# Altium PCB as_x31.PcbDoc (part 4 of 4) (continued)
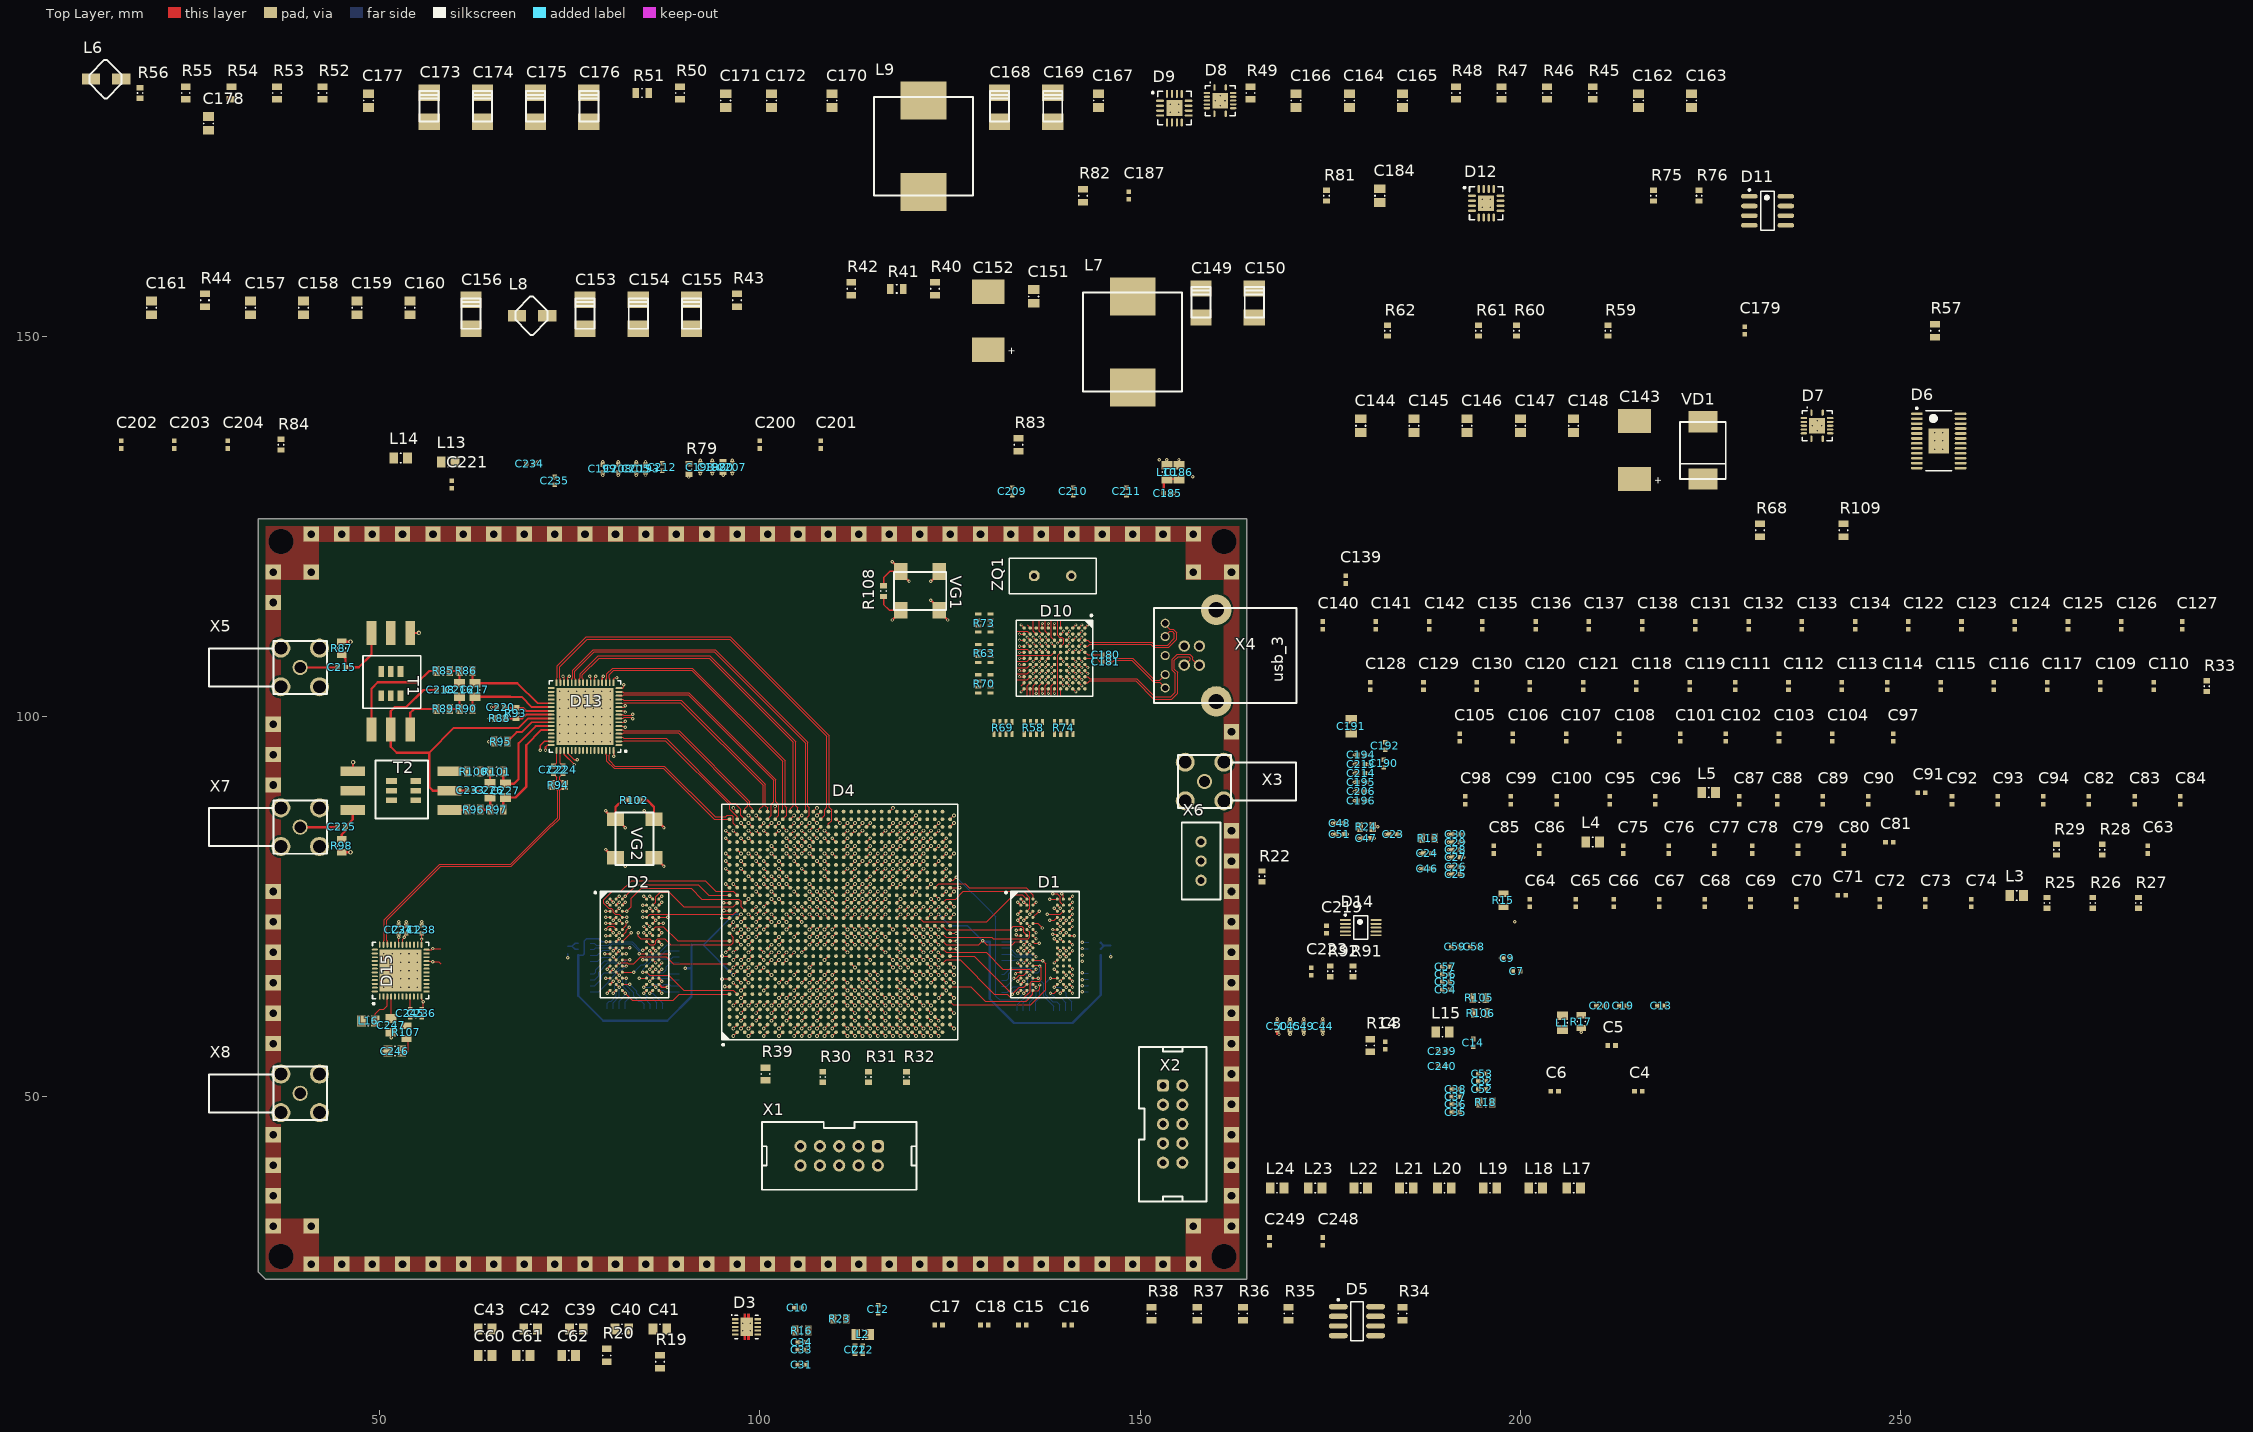
[diagram p0: Top Layer view]
## Nets (pads, with @x,y where several pads share a name; then routed paths per layer and width w, separated by ;. In a path a pad name is that pad's centre, name@x,y a point inside that pad or via, vN(x,y) a via of type N, cw(c..) or ccw(c..) an arc to the next point about the centre after c; other vN are vias at no path point) (continued)
NetVD1_2: VD1.2 X3.1
PCLK: D10.J6 R70.8 | length 2.7
  Top Layer w0.125: v4(135.929,107.246) D10.J6@136.329,107.646
  int_1 w0.125: 133.829,107.246 v4(135.929,107.246)
PG1P1: D7.14 D8.10
SHIELD: L17.2 L18.2 L19.2 L20.2 L21.2 L22.2 L23.2 L24.2 pad.0 pad.3
SS_RX_N: D10.A3 X4.8 | length 14.7
  Top Layer w0.14: D10.A3@142.729,110.046 143.1,110.046 143.345,109.801 151.537,109.801 151.938,109.4 153.6,109.4 154.5,110.3 154.5,110.9 154.2,111.2 153.9,111.2 153.29,110.59 X4.8@153.29,110.52
SS_RX_P: D10.A4 X4.9 | length 15.8
  Top Layer w0.14: D10.A4@142.729,109.246 143.1,109.246 143.345,109.491 151.409,109.491 151.81,109.09 153.728,109.09 154.81,110.172 154.81,111.028 154.328,111.51 153.9,111.51 153.29,112.12 X4.9@153.29,112.27
SS_TX_N: C181.1 X4.5 | length 8.9
  Top Layer w0.14: C181.1@146,107.2 146.4,107.2 146.59,107.39 148.872,107.39 151.772,104.49 152.57,104.49 X4.5@153.29,103.77
SS_TX_P: C180.1 X4.6 | length 9
  Top Layer w0.14: C180.1@146,108.1 146.4,108.1 146.8,107.7 149,107.7 151.9,104.8 152.57,104.8 X4.6@153.29,105.52
TCK: D4.AC7 R26.2 R33.2 X1.1 | length 0.7
  Top Layer w0.15: D4.AC7@118,64.5 v1(118.5,64)
TDI: D4.U7 R27.1 X1.9 | length 0.7
  Top Layer w0.15: D4.U7@112,64.5 v1(112.5,64)
TDO: D4.W9 X1.3 | length 0.7
  Top Layer w0.15: D4.W9@114,66.5 v1(114.5,66)
TMS: D4.V7 R25.2 X1.5 | length 0.7
  Top Layer w0.15: D4.V7@113,64.5 v1(113.5,64)
TTL_CLK: D4.AF25 | length 0.7
  Top Layer w0.15: D4.AF25@121,82.5 v1(121.5,83)
TTL_RX: D5.1
TTL_SDIN: D4.AF26 | length 0.7
  Top Layer w0.15: D4.AF26@121,83.5 v1(121.5,84)
TTL_SDOUT: D4.AH27 | length 0.7
  Top Layer w0.15: D4.AH27@123,84.5 v1(123.5,85)
TTL_SS: D4.AG27 | length 0.7
  Top Layer w0.15: D4.AG27@122,84.5 v1(122.5,85)
TTL_TX: D5.4
TTL_TX_EN: D5.2 D5.3
U3RXVDDQ: C185.2 C186.2 D10.A2 L10.2 | length 3.7
  Top Layer w0.3: C185.2@153.1,129.35 153.1,130.85 L10.2@153.5,131.25 C186.2@155.1,131.25
U3TXVDDQ: C188.2 C189.2 D10.B5 L11.2 | length 0.6
  Top Layer w0.125: D10.B5@141.929,108.446 v4(142.329,108.846)
USB_N: D10.A10 X4.2 | length 21.8
  Top Layer w0.14: D10.A10@142.729,104.446 143.1,104.446 143.345,104.691 149.409,104.691 151.81,102.29 154.128,102.29 154.91,103.072 154.91,105.828 154.5,106.238 154.5,107.4 155,107.9 156.4,107.9 156.6,107.7 156.6,107.5 155.87,106.77 X4.2@155.79,106.77
USB_P: D10.A9 X4.3 | length 22.4
  Top Layer w0.14: D10.A9@142.729,105.246 143.1,105.246 143.345,105.001 149.537,105.001 151.938,102.6 154,102.6 154.6,103.2 154.6,105.7 154.19,106.11 154.19,107.528 154.872,108.21 156.528,108.21 156.91,107.828 156.91,107.5 157.64,106.77 X4.3@157.79,106.77
V0P75D: C39.2 C40.2 C41.2 D3.3 D3.5 L1.1 L2.1
V1P1D: C63.2 C64.2 C65.2 C66.2 C67.2 C68.2 C69.2 C75.2 C76.2 C77.2 C78.2 C79.2 C80.2 C81.2 C87.2 C88.2 C89.2 C90.2 C91.2 C92.2 C93.2 C94.2 C153.1 C154.1 C155.1 C156.1 D4.AA5 D4.AC5 D4.AD6 D4.J5 D4.L5 D4.M6 D4.M13 D4.M15 D4.M17 D4.M19 D4.N5 D4.N14 D4.N16 D4.N18 D4.P13 D4.P15 D4.P17 D4.P19 D4.R5 D4.R14 D4.R16 D4.R18 D4.T6 D4.T13 D4.T15 D4.T17 D4.T19 D4.U5 D4.U14 D4.U16 D4.U18 D4.U20 D4.V13 D4.V15 D4.V17 D4.V19 D4.W5 D4.W14 D4.W16 D4.W18 D4.W20 D4.Y6 L7.2 R41.2 | length 29.7
  Top Layer w0.15: v1(103.5,62) D4.J5@104,62.5 ; v1(105.5,62) D4.L5@106,62.5 ; v1(106.5,63) D4.M6@107,63.5 ; v1(106.5,70) D4.M13@107,70.5 ; v1(106.5,72) D4.M15@107,72.5 ; v1(106.5,75) D4.M17@107,74.5 ; v1(106.5,77) D4.M19@107,76.5 ; v1(107.5,62) D4.N5@108,62.5 ; v1(107.5,71) D4.N14@108,71.5 ; v1(107.5,74) D4.N16@108,73.5 ; v1(107.5,76) D4.N18@108,75.5 ; v1(108.5,70) D4.P13@109,70.5 ; v1(108.5,72) D4.P15@109,72.5 ; v1(108.5,75) D4.P17@109,74.5 ; v1(108.5,77) D4.P19@109,76.5 ; v1(109.5,62) D4.R5@110,62.5 ; v1(109.5,71) D4.R14@110,71.5 ; v1(109.5,74) D4.R16@110,73.5 ; v1(109.5,76) D4.R18@110,75.5 ; D4.T6@111,63.5 v1(111.5,63) ; D4.T13@111,70.5 v1(111.5,70) ; D4.T15@111,72.5 v1(111.5,72) ; D4.T17@111,74.5 v1(111.5,75) ; D4.T19@111,76.5 v1(111.5,77) ; D4.U5@112,62.5 v1(112.5,62) ; D4.U14@112,71.5 v1(112.5,71) ; D4.U16@112,73.5 v1(112.5,74) ; D4.U18@112,75.5 v1(112.5,76) ; D4.U20@112,77.5 v1(112.5,78) ; D4.V13@113,70.5 v1(113.5,70) ; D4.V15@113,72.5 v1(113.5,72) ; D4.V17@113,74.5 v1(113.5,75) ; D4.V19@113,76.5 v1(113.5,77) ; D4.W5@114,62.5 v1(114.5,62) ; D4.W14@114,71.5 v1(114.5,71) ; D4.W16@114,73.5 v1(114.5,74) ; D4.W18@114,75.5 v1(114.5,76) ; D4.W20@114,77.5 v1(114.5,78) ; D4.Y6@115,63.5 v1(115.5,63) ; D4.AA5@116,62.5 v1(116.5,62) ; D4.AC5@118,62.5 v1(118.5,62) ; D4.AD6@119,63.5 v1(119.5,63)
V1P2D: C184.2 C192.2 C193.2 C194.2 C195.2 C196.2 C197.2 C198.2 C199.2 C200.2 C201.2 D10.B10 D10.C3 D10.E9 D10.F11 D10.H1 D10.J11 D10.L5 D10.L7 D12.10 D12.11 D12.12 D12.13 D12.14 L10.1 L11.1 L12.1 R82.2 | length 8.2
  Top Layer w0.125: D10.E9@139.529,105.246 v4(139.929,104.846) ; D10.C3@141.129,110.046 v4(141.529,110.446) ; D10.B10@141.929,104.446 v4(142.329,104.046)
  Top Layer w0.15: v4(134.129,106.846) D10.L7@134.729,106.846 ; v4(134.129,108.446) D10.L5@134.729,108.446 ; v4(136.329,103.046) D10.J11@136.329,103.646 ; D10.H1@137.129,111.646 v4(137.129,112.246) ; v4(138.729,103.046) D10.F11@138.729,103.646
  Top Layer w0.3: v2(79.35,131.7) C199.2@79.35,132.1 ; v2(84.95,131.7) C193.2@84.95,132.1 ; C198.2@92.15,133.3 v2(92.15,133.7) ; C197.2@93.75,133.3 v2(93.75,133.7) ; L10.1@153.5,133.05 v2(153.5,133.75) ; v2(178.15,88.95) C196.2@178.55,88.95 ; v2(178.15,91.35) C195.2@178.55,91.35 ; v2(178.15,94.95) C194.2@178.55,94.95
  other v2: 152.5,133.75
V1P5D: C23.2 C24.2 C25.2 C26.2 C27.2 C28.2 C29.2 C30.2 C31.2 C32.2 C33.2 C34.2 C35.2 C36.2 C37.2 C38.2 C42.2 C44.2 C45.2 C46.2 C47.2 C48.2 C49.2 C50.2 C51.2 C52.2 C53.2 C54.2 C55.2 C56.2 C57.2 C58.2 C59.2 C61.2 C62.2 C111.2 C112.2 C113.2 C114.2 C115.2 C116.2 C117.2 C124.2 C125.2 C126.2 C127.2 C128.2 C129.2 C130.2 C135.2 C136.2 C137.2 C138.2 C171.2 C172.2 C248.2 C249.2 D1.A1 D1.A8 D1.B2 D1.C1 D1.C9 D1.D2 D1.D9 D1.E9 D1.F1 D1.G7 D1.H2 D1.H9 D1.K2 D1.K8 D1.N1 D1.N9 D1.R1 D1.R9 D2.A1 D2.A8 D2.B2 D2.C1 D2.C9 D2.D2 D2.D9 D2.E9 D2.F1 D2.G7 D2.H2 D2.H9 D2.K2 D2.K8 D2.N1 D2.N9 D2.R1 D2.R9 D3.2 D3.7 D3.10 D4.A7 D4.A22 D4.AA12 D4.AB15 D4.AC18 D4.AD21 D4.AE14 D4.AF17 D4.AG10 D4.AG20 D4.AH13 D4.AH23 D4.AJ16 D4.AJ26 D4.AK4 D4.AK9 D4.AK19 D4.B5 D4.B15 D4.B25 D4.C8 D4.C18 D4.D11 D4.D21 D4.E14 D4.E24 D4.F7 D4.F17 D4.G10 D4.G20 D4.H10 D4.H13 D4.H23 D4.J16 D4.K19 D4.L12 D4.Y19 D9.10 D9.11 D9.12 D9.13 D9.14 R17.1 R18.1 R19.2 R51.2 | length 56.5
  Top Layer w0.15: v2(79.7,74.4) D2.C1@80.3,74.4 ; D2.E9@86.7,72.8 v2(87.3,72.8) ; D2.D9@86.7,73.6 v2(87.9,73.6) ; v1(95.375,64.5) D4.A7@96,64.5 ; v1(95.5,80) D4.A22@96,79.5 ; v1(96.5,62) D4.B5@97,62.5 ; v1(96.5,72) D4.B15@97,72.5 ; D4.B25@97,82.5 v1(97.5,82) ; D4.C8@98,65.5 v1(98.5,65) ; D4.C18@98,75.5 v1(98.5,76) ; v1(98.5,68) D4.D11@99,68.5 ; v1(98.5,79) D4.D21@99,78.5 ; v1(99.5,71) D4.E14@100,71.5 ; v1(99.5,82) D4.E24@100,81.5 ; v1(100.5,64) D4.F7@101,64.5 ; v1(100.5,74) D4.F17@101,74.5 ; v1(101.5,78) D4.G20@102,77.5 ; D4.G10@102,67.5 v1(102.5,68) ; v1(102.5,70) D4.H13@103,70.5 ; v1(102.5,81) D4.H23@103,80.5 ; D4.H10@103,67.5 v1(103.5,68) ; v1(103.5,74) D4.J16@104,73.5 ; v1(104.5,77) D4.K19@105,76.5 ; v1(105.5,69) D4.L12@106,69.5 ; D4.Y19@115,76.5 v1(115.5,77) ; D4.AA12@116,69.5 v1(116.5,69) ; D4.AB15@117,72.5 v1(117.5,72) ; D4.AC18@118,75.5 v1(118.5,76) ; D4.AD21@119,78.5 v1(119.5,79) ; D4.AE14@120,71.5 v1(120.5,71) ; D4.AF17@121,74.5 v1(121.5,75) ; D4.AG10@122,67.5 v1(122.5,67) ; D4.AG20@122,77.5 v1(122.5,78) ; D4.AH13@123,70.5 v1(123.5,70) ; D4.AH23@123,80.5 v1(123.5,81) ; D4.AJ16@124,73.5 v1(124.5,74) ; D4.AJ26@124,83.5 v1(124.5,84) ; D4.AK4@125,61.5 v1(125.5,61) ; D4.AK9@125,66.5 v1(125.5,66) ; D4.AK19@125,76.5 v1(125.5,77) ; v2(133.6,66.2) 133.8,66.4 D1.N1@134.3,66.4 ; v2(133.7,71.9) 133.8,72 D1.F1@134.3,72 ; D1.A1@134.3,76 v2(134.7,75.6) ; v2(138.5,71.4) 138.9,71.4 D1.G7@139.1,71.2 ; v2(139.7,76.7) 139.9,76.5 D1.A8@139.9,76
  Top Layer w0.2: D2.R1@80.3,64.8 v2(80.7,65.2) ; D2.N1@80.3,66.4 v2(80.7,66.8) ; D2.F1@80.3,72 v2(80.7,71.6) ; D2.A1@80.3,76 v2(80.7,75.6) ; v2(80.7,73.2) D2.D2@81.1,73.6 ; D2.K2@81.1,68.8 v2(81.5,69.2) ; D2.H2@81.1,70.4 v2(81.5,70.8) ; D2.B2@81.1,75.2 v2(81.5,75.6) ; v2(84.7,71.6) D2.G7@85.1,71.2 ; v2(85.5,69.2) D2.K8@85.9,68.8 ; v2(85.5,76.4) D2.A8@85.9,76 ; v2(86.3,74.8) D2.C9@86.7,74.4 ; D2.R9@86.7,64.8 87.1,64.4 v2(87.8,64.4) ; D2.N9@86.7,66.4 v2(87.1,66.8) ; D2.H9@86.7,70.4 v2(87.1,70) ; v2(133.9,74) D1.C1@134.3,74.4 ; D1.R1@134.3,64.8 v2(134.7,65.2) ; v2(134.7,70) D1.H2@135.1,70.4 ; v2(134.7,73.2) D1.D2@135.1,73.6 ; v2(134.7,75.6) D1.B2@135.1,75.2 ; D1.K2@135.1,68.8 v2(135.5,69.2) ; D1.K8@139.9,68.8 v2(140.3,68.4) ; D1.R9@140.7,64.8 v2(141.1,64.4) ; D1.N9@140.7,66.4 v2(141.1,66) ; D1.H9@140.7,70.4 v2(141.1,70) ; D1.E9@140.7,72.8 v2(141.1,73.2) ; D1.D9@140.7,73.6 v2(141.1,74) ; D1.C9@140.7,74.4 v2(141.1,74.8)
  Top Layer w0.3: C50.2@168,59.75 v2(168,60.25) ; C45.2@169.7,59.75 v3(169.7,60.25) ; C49.2@171.5,59.75 v2(171.5,60.25) ; C44.2@174,59.75 v2(174,60.25) ; C51.2@176.75,84.5 v2(177.25,84.5) ; v3(178.75,84) C47.2@179.25,84 ; v3(182.25,84.5) C23.2@182.75,84.5 ; v2(186.75,80) C46.2@187.25,80 ; v2(186.75,82) C24.2@187.25,82 ; v2(190.5,79.25) C25.2@191,79.25 ; v3(190.5,80.25) C26.2@191,80.25 ; v3(190.5,81.5) C27.2@191,81.5 ; v2(190.5,82.5) C28.2@191,82.5 ; v3(190.5,83.5) C29.2@191,83.5 ; v3(190.5,84.5) C30.2@191,84.5 ; v2(208,58.5) R17.1@208,59.05
V1P8A: C230.2 C231.2 C232.2 D13.36 D13.45 D13.46 L13.1
V1P8D: C147.2 C148.2 C202.2 C203.2 C204.2 C205.2 C206.2 C207.2 C208.2 C234.2 C235.2 D9.1 D9.2 D9.3 D9.4 D9.15 D9.16 D10.B1 D10.E3 D10.F1 D10.H11 D10.L9 D12.1 D12.2 D12.3 D12.4 D12.15 D12.16 D13.1 D13.21 L5.2 L6.2 L13.2 L14.2 R40.2 R56.2 R77.2 R78.2 R81.2 R84.2 | length 4.5
  Top Layer w0.125: v4(139.129,109.646) D10.E3@139.529,110.046 ; D10.B1@141.929,111.646 v4(142.329,112.046)
  Top Layer w0.15: v4(134.129,105.246) D10.L9@134.729,105.246 ; v4(137.129,103.046) D10.H11@137.129,103.646 ; D10.F1@138.729,111.646 v4(138.729,112.246)
  Top Layer w0.3: v2(81.35,131.7) C208.2@81.35,132.1 ; v2(83.75,131.7) C205.2@83.75,132.1 ; C207.2@96.35,133.3 v2(96.35,133.7) ; v2(178.15,90.15) C206.2@178.55,90.15
V1P8DVDD: C228.2 C229.2 D13.24 D13.57 L14.1
V2P5D: C97.2 C98.2 C99.2 C100.2 C101.2 C102.2 C103.2 C104.2 C105.2 C106.2 C107.2 C108.2 C122.2 C123.2 C131.2 C132.2 C133.2 C134.2 C139.2 C140.2 C141.2 C142.2 C162.2 C163.2 D4.AA22 D4.AB11 D4.AB25 D4.AC12 D4.AC17 D4.AC20 D4.AC28 D4.AD10 D4.AD15 D4.AE11 D4.AE21 D4.AE24 D4.AF27 D4.AG30 D4.C28 D4.D24 D4.F11 D4.F21 D4.F23 D4.F27 D4.G13 D4.G16 D4.G19 D4.G30 D4.J26 D4.K23 D4.K29 D4.L22 D4.M24 D4.M25 D4.N28 D4.P21 D4.P24 D4.R24 D4.T26 D4.T27 D4.U24 D4.U30 D4.W23 D4.W25 D4.W26 D4.Y29 L3.2 L4.2 L8.2 R47.2 | length 27.6
  Top Layer w0.125: D4.G30@102,87.5 v1(102,88.2)
  Top Layer w0.15: v1(97.5,86) D4.C28@98,85.5 ; v1(98.5,82) D4.D24@99,81.5 ; v1(100.5,79) D4.F21@101,78.5 ; v1(100.5,81) D4.F23@101,80.5 ; v1(100.5,85) D4.F27@101,84.5 ; D4.F11@101,68.5 v1(101.5,69) ; v1(101.5,74) D4.G16@102,73.5 ; v1(101.5,77) D4.G19@102,76.5 ; D4.G13@102,70.5 v1(102.5,71) ; v1(103.5,84) D4.J26@104,83.5 ; v1(104.5,81) D4.K23@105,80.5 ; D4.K29@105,86.5 v1(105.5,87) ; v1(105.5,80) D4.L22@106,79.5 ; v1(106.5,82) D4.M24@107,81.5 ; v1(106.5,83) D4.M25@107,82.5 ; v1(107.5,85) D4.N28@108,85.5 ; v1(108.5,79) D4.P21@109,78.5 ; v1(108.5,82) D4.P24@109,81.5 ; v1(109.5,82) D4.R24@110,81.5 ; D4.T26@111,83.5 v1(111.5,84) ; D4.T27@111,84.5 v1(111.5,85) ; D4.U24@112,81.5 v1(112.5,82) ; D4.W23@114,80.5 v1(114.5,81) ; D4.W25@114,82.5 v1(114.5,83) ; D4.W26@114,83.5 v1(114.5,84) ; D4.AA22@116,79.5 v1(116.5,80) ; D4.AB11@117,68.5 v1(117.5,68) ; D4.AB25@117,82.5 v1(117.5,83) ; D4.AC12@118,69.5 v1(118.5,69) ; D4.AC17@118,74.5 v1(118.5,75) ; D4.AC20@118,77.5 v1(118.5,78) ; D4.AC28@118,85.5 v1(118.5,86) ; D4.AD10@119,67.5 v1(119.5,67) ; D4.AD15@119,72.5 v1(119.5,72) ; D4.AE11@120,68.5 v1(120.5,68) ; D4.AE21@120,78.5 v1(120.5,79) ; D4.AE24@120,81.5 v1(120.5,82) ; D4.AF27@121,84.5 v1(121.5,85)
V3P3D: C145.2 C146.2 C159.2 C160.2 C173.1 C174.1 C175.1 C176.1 C209.2 C210.2 C211.2 C212.2 C213.2 C214.2 C223.2 D5.8 D6.4 D6.6 D6.7 D6.10 D6.11 D6.12 D6.18 D6.19 D6.20 D6.21 D10.B6 D10.C11 D10.E10 D11.8 D14.2 L9.2 L15.2 R34.2 R50.2 R62.1 R75.2 R76.2 R91.2 R102.1 R103.2 R108.1 VD2.2 VG1.4 VG2.4 X2.5 X2.7 | length 17
  Top Layer w0.125: D10.E10@139.529,104.446 v4(139.929,104.046) ; D10.C11@141.129,103.646 v4(141.529,103.246) ; D10.B6@141.929,107.646 v4(142.329,107.246)
  Top Layer w0.2: R108.1@116.25,117.2 116.25,118.25 117.08,119.08 VG1.4@118.5,119.08
  Top Layer w0.3: R102.1@84.2,89 85.2,89 86.08,88.12 VG2.4@86.08,86.5 ; v2(84.78,87.6) 85.88,86.5 VG2.4@86.08,86.5 ; v2(87.38,85.4) 86.28,86.5 VG2.4@86.08,86.5 ; v2(117.4,120.38) 118.5,119.28 VG1.4@118.5,119.08 118.5,118.88 v2(119.6,117.78) ; v2(178.15,92.55) C214.2@178.55,92.55 ; v2(178.15,93.75) C213.2@178.55,93.75
VCC_AUX: C82.2 C83.2 C84.2 C85.2 C86.2 D4.AC10 D4.AC16 D4.AD22 D4.G11 D4.H16 D4.H22 L4.1 | length 4.2
  Top Layer w0.15: D4.G11@102,68.5 v1(102.5,69) ; v1(102.5,80) D4.H22@103,79.5 ; D4.H16@103,73.5 v1(103.5,73) ; D4.AC10@118,67.5 v1(118.5,67) ; D4.AC16@118,73.5 v1(118.5,74) ; D4.AD22@119,79.5 v1(119.5,80)
VCCPGM: C95.2 C96.2 C109.2 C110.2 D4.AB24 D4.AC8 D4.AC11 D4.AD11 D4.F10 D4.U10 D4.Y9 L5.1 R25.1 R26.1 R27.2 R28.2 R29.2 R30.1 R31.1 R32.1 X1.4 | length 4.9
  Top Layer w0.15: D4.F10@101,67.5 v1(101.5,68) ; D4.U10@112,67.5 v1(112.5,67) ; D4.Y9@115,66.5 v1(115.5,66) ; D4.AB24@117,81.5 v1(117.5,82) ; D4.AC8@118,65.5 v1(118.5,65) ; D4.AC11@118,68.5 v1(118.5,68) ; D4.AD11@119,68.5 v1(119.5,68)
VREF: C220.1 C221.1 D13.39 R93.2 | length 6.3
  Top Layer w0.25: C220.1@66.4,101.2 66.45,101.15 R93.2@67.9,101.15 68.85,101.15 69.25,100.75 D13.39@72.55,100.75
VREFDDR0: C3.1 C5.1 C7.1 C9.1 C11.1 C13.1 C15.2 C16.2 C19.2 C20.2 C118.2 C119.2 D1.H1 D1.M8 D4.AH16 D4.AJ13 L1.2 R1.3 R1.4 R3.1 R3.2 R3.3 R3.4 R4.1 R4.2 R4.3 R4.4 R6.1 R6.2 R6.3 R6.4 R9.1 R9.2 R9.3 R9.4 R11.1 R11.2 R11.3 R11.4 | length 50.2
  Top Layer w0.15: D4.AH16@123,73.5 v1(123.5,74) ; D4.AJ13@124,70.5 124.5,70 128.8,70 v2(129.3,70.5) 129.8,70 133.2,70 133.6,70.4 D1.H1@134.3,70.4
  Bottom Layer w0.2: v1(123.5,74) 125,72.5 127.3,72.5 v2(129.3,70.5)
  Bottom Layer w0.3: v2(129.3,70.5) 129.425,70.375 R4.4@130.2,70.375 R4.3@130.2,69.575 R4.2@130.2,68.775 R4.1@130.2,67.975 R3.4@130.2,66.15 R3.3@130.2,65.35 R3.2@130.2,64.55 R3.1@130.2,63.75 130.2,62.9 133.4,59.7 R9.4@133.85,59.7 R11.4@138.6,59.7 R11.3@139.4,59.7 R11.2@140.2,59.7 R11.1@141,59.7 141.1,59.7 144.8,63.4 R1.4@144.8,67.85 R1.3@144.8,68.65
  other v2: 199.25,73
VREFDDR1: C4.1 C6.1 C8.1 C10.1 C12.1 C14.1 C17.2 C18.2 C21.2 C22.2 C120.2 C121.2 D2.H1 D2.M8 D4.B9 D4.B16 L2.2 R2.1 R2.2 R5.1 R5.2 R5.3 R5.4 R7.1 R7.2 R7.3 R7.4 R8.1 R8.2 R8.3 R8.4 R10.1 R10.2 R10.3 R10.4 R12.1 R12.2 R12.3 R12.4 | length 57.7
  Top Layer w0.15: v2(79.8,70.4) D2.H1@80.3,70.4 ; v2(85.5,66.8) D2.M8@85.9,67.2 ; v1(96.5,66) D4.B9@97,66.5 ; D4.B16@97,73.5 v1(97.5,74)
  int_1 w0.15: v2(85.5,66.8) 85.699,66.8 86.124,66.375 89.675,66.375 v2(90.2,66.9)
  Bottom Layer w0.2: R2.2@76.1,68.6 76.7,68.6 76.9,68.8 76.9,70.5 77.2,70.8 78.8,70.8 79.2,70.4 v2(79.8,70.4) ; R7.1@91,70 92.5,70 ; v1(96.5,66) 92.5,70 ; v1(97.5,74) 96.6,74 92.6,70 92.5,70
  Bottom Layer w0.3: R2.2@76.1,68.6 R2.1@76.1,67.8 R5.4@76.1,66.2 R5.3@76.1,65.4 R5.2@76.1,64.6 R5.1@76.1,63.8 76.1,63.3 79.4,60 R10.4@79.9,60 R10.3@80.7,60 R10.2@81.5,60 R10.1@82.3,60 R8.1@87.2,60 87.8,60 91,63.2 R12.4@91,63.8 R12.3@91,64.6 R12.2@91,65.4 R12.1@91,66.2 91,66.9 ; v2(90.2,66.9) 91,66.9 ; R7.1@91,70 91,66.9
pads on no net: D1.J1 D1.J9 D1.L1 D1.L9 D1.M7 D2.J1 D2.J9 D2.L1 D2.L9 D2.M7 D3.9 D4.A2 D4.A3 D4.A4 D4.A5 D4.A21 D4.A25 D4.A28 D4.AA7 D4.AA8 D4.AA9 D4.AA10 D4.AA11 D4.AA13 D4.AA15 D4.AA20 D4.AA26 D4.AA28 D4.AB3 D4.AB4 D4.AB7 D4.AB8 D4.AB9 D4.AB12 D4.AB13 D4.AB14 D4.AB16 D4.AB17 D4.AB18 D4.AB19 D4.AB26 D4.AC9 D4.AC14 D4.AC15 D4.AC19 D4.AC21 D4.AC24 D4.AD3 D4.AD4 D4.AD8 D4.AD9 D4.AD12 D4.AD13 D4.AD14 D4.AD18 D4.AD19 D4.AD20 D4.AD24 D4.AD25 D4.AD30 D4.AE5 D4.AE7 D4.AE10 D4.AE12 D4.AE13 D4.AE18 D4.AE20 D4.AE22 D4.AE30 D4.AF3 D4.AF4 D4.AF6 D4.AF7 D4.AF8 D4.AF10 D4.AF18 D4.AF19 D4.AF20 D4.AF21 D4.AF28 D4.AG6 D4.AG7 D4.AG8 D4.AG12 D4.AG18 D4.AG19 D4.AG21 D4.AG22 D4.AG23 D4.AG24 D4.AG28 D4.AH4 D4.AH5 D4.AH6 D4.AH7 D4.AH21 D4.AH22 D4.AH24 D4.AH26 D4.AH30 D4.AJ1 D4.AJ2 D4.AJ3 D4.AJ4 D4.AJ5 D4.AJ17 D4.AJ20 D4.AJ23 D4.AJ27 D4.AJ30 D4.AK3 D4.AK15 D4.AK22 D4.AK23 D4.AK25 D4.AK26 D4.AK27 D4.B3 D4.B4 D4.B21 D4.B23 D4.B24 D4.B26 D4.C12 D4.C19 D4.C20 D4.C21 D4.C24 D4.C25 D4.C27 D4.D3 D4.D4 D4.D6 D4.D7 D4.D8 D4.D10 D4.D14 D4.D15 D4.D18 D4.D19 D4.D20 D4.D22 D4.D23 D4.D25 D4.E1 D4.E2 D4.E6 D4.E7 D4.E8 D4.E13 D4.E18 D4.E21 D4.E22 D4.E25 D4.E26 D4.F3 D4.F4 D4.F6 D4.F8 D4.F13 D4.F14 D4.F19 D4.F24 D4.F25 D4.F26 D4.G1 D4.G2 D4.G6 D4.G7 D4.G8 D4.G9 D4.G12 D4.G14 D4.G17 D4.G22 D4.G23 D4.G26 D4.H3 D4.H4 D4.H7 D4.H9 D4.H12 D4.H14 D4.H15 D4.H17 D4.H19 D4.H24 D4.H25 D4.H26 D4.H27 D4.J1 D4.J2 D4.J7 D4.J9 D4.J10 D4.J12 D4.J13 D4.J14 D4.J18 D4.J19 D4.J22 D4.J23 D4.K3 D4.K4 D4.K8 D4.K10 D4.K11 D4.K12 D4.K13 D4.K15 D4.K18 D4.K20 D4.K21 D4.K22 D4.L7 D4.L9 D4.L10 D4.L11 D4.L13 D4.L14 D4.L15 D4.L18 D4.L19 D4.L20 D4.L21 D4.L23 D4.L24 D4.M3 D4.M4 D4.M11 D4.M12 D4.M21 D4.M22 D4.M23 D4.N9 D4.N10 D4.N11 D4.N12 D4.N20 D4.N21 D4.N22 D4.N24 D4.N25 D4.N26 D4.N27 D4.P3 D4.P4 D4.P10 D4.P12 D4.P20 D4.P25 D4.P29 D4.P30 D4.R10 D4.R11 D4.R12 D4.R20 D4.R21 D4.R22 D4.R23 D4.R25 D4.R27 D4.R28 D4.T3 D4.T4 D4.T9 D4.T10 D4.T11 D4.T21 D4.T23 D4.U8 D4.U9 D4.U11 D4.U12 D4.U26 D4.V3 D4.V4 D4.V9 D4.V10 D4.V11 D4.V12 D4.V21 D4.V22 D4.V24 D4.V25 D4.V26 D4.W10 D4.W12 D4.W22 D4.W27 D4.Y3 D4.Y4 D4.Y10 D4.Y11 D4.Y15 D4.Y20 D4.Y21 D4.Y25 D4.Y26 D4.Y27 D4.Y28 D6.13 D6.15 D7.10 D8.14 D9.7 D9.8 D10.A11 D10.B11 D10.C2 D10.C4 D10.C10 D10.D1 D10.D6 D10.D11 D10.E7 D10.E8 D10.F2 D10.F6 D12.7 D12.8 D13.33 D13.34 D13.35 D13.53 D13.54 D13.55 D13.56 D13.58 D13.59 D13.60 D13.61 D15.2 D15.7 D15.11 D15.17 D15.18 D15.19 D15.20 D15.22 D15.23 D15.26 D15.27 D15.28 D15.29 D15.32 D15.33 D15.38 D15.39 D15.41 D15.42 R70.2 R70.3 R70.6 R70.7 T1.5 T1.11 T1.12 T1.13 T1.14 T1.15 T1.16 T2.5 T2.11 T2.12 T2.13 T2.14 T2.15 T2.16 X1.6 X1.7 X1.8

## Polygon pours and split planes (outlines as drawn)
SHIELD on Top Layer "Top Layer-No Net 1" (solid, pour order 64): 42,118 42,125 35,125 35,118
SHIELD on Top Layer "Top Layer-No Net 1" (solid, pour order 60): 156.5,123 156.5,125 41.5,125 41.5,123
SHIELD on Top Layer "Top Layer-No Net 1" (solid, pour order 56): 163,118 156,118 156,125 163,125
SHIELD on Top Layer "Top Layer-No Net 1" (solid, pour order 51): 163,27 163,34 156,34 156,27
SHIELD on Top Layer "Top Layer-No Net 1" (solid, pour order 43): 42,27 42,34 35,34 35,27
SHIELD on Top Layer "case" (solid, pour order 36): 161,33.5 163,33.5 163,118.5 161,118.5
SHIELD on Top Layer "case" (solid, pour order 44): 37,33.5 37,118.5 35,118.5 35,33.5
SHIELD on Top Layer "case" (solid, pour order 52): 156.5,27 156.5,29 41.5,29 41.5,27
SHIELD on Bottom Layer "Top Layer-No Net 1" (solid, pour order 63): 42,118 42,125 35,125 35,118
SHIELD on Bottom Layer "Top Layer-No Net 1" (solid, pour order 59): 156.5,123 156.5,125 41.5,125 41.5,123
SHIELD on Bottom Layer "Top Layer-No Net 1" (solid, pour order 55): 163,118 156,118 156,125 163,125
SHIELD on Bottom Layer "Top Layer-No Net 1" (solid, pour order 49): 163,27 163,34 156,34 156,27
SHIELD on Bottom Layer "Top Layer-No Net 1" (solid, pour order 41): 42,27 42,34 35,34 35,27
SHIELD on Bottom Layer "case" (solid, pour order 35): 161,33.5 163,33.5 163,118.5 161,118.5
SHIELD on Bottom Layer "case" (solid, pour order 42): 37,33.5 37,118.5 35,118.5 35,33.5
SHIELD on Bottom Layer "case" (solid, pour order 50): 156.5,27 156.5,29 41.5,29 41.5,27
SHIELD on int_2 "Top Layer-No Net 1" (solid, pour order 62): 42,118 42,125 35,125 35,118
SHIELD on int_2 "Top Layer-No Net 1" (solid, pour order 58): 156.5,123 156.5,125 41.5,125 41.5,123
SHIELD on int_2 "Top Layer-No Net 1" (solid, pour order 54): 163,118 156,118 156,125 163,125
SHIELD on int_2 "Top Layer-No Net 1" (solid, pour order 47): 163,27 163,34 156,34 156,27
SHIELD on int_2 "Top Layer-No Net 1" (solid, pour order 39): 42,27 42,34 35,34 35,27
SHIELD on int_2 "case" (solid, pour order 34): 161,33.5 163,33.5 163,118.5 161,118.5
SHIELD on int_2 "case" (solid, pour order 40): 37,33.5 37,118.5 35,118.5 35,33.5
SHIELD on int_2 "case" (solid, pour order 48): 156.5,27 156.5,29 41.5,29 41.5,27
SHIELD on int_1 "Top Layer-No Net 1" (solid, pour order 61): 42,118 42,125 35,125 35,118
SHIELD on int_1 "Top Layer-No Net 1" (solid, pour order 57): 156.5,123 156.5,125 41.5,125 41.5,123
SHIELD on int_1 "Top Layer-No Net 1" (solid, pour order 53): 163,118 156,118 156,125 163,125
SHIELD on int_1 "Top Layer-No Net 1" (solid, pour order 45): 163,27 163,34 156,34 156,27
SHIELD on int_1 "Top Layer-No Net 1" (solid, pour order 37): 42,27 42,34 35,34 35,27
SHIELD on int_1 "case" (solid, pour order 33): 161,33.5 163,33.5 163,118.5 161,118.5
SHIELD on int_1 "case" (solid, pour order 38): 37,33.5 37,118.5 35,118.5 35,33.5
SHIELD on int_1 "case" (solid, pour order 46): 156.5,27 156.5,29 41.5,29 41.5,27
0VA on Ground_1 (split plane): 60.857,110.857 63.857,107.857 65.857,105.857 65.899,105.825 65.948,105.805 66,105.798 71.416,105.798 72.857,104.357 72.899,104.325 72.919,104.317 72.948,104.305 73,104.298 80.916,104.298 81.298,103.916 81.298,96.084 80.916,95.702 73.084,95.702 72.643,96.143 72.143,96.643 72.101,96.675 72.052,96.695 72,96.702 71,96.702 70.948,96.695 70.899,96.675 70.857,96.643 69.857,95.643 69.825,95.601 69.805,95.552 69.798,95.5 69.798,89.084 68.357,87.643 65.916,85.202 52.5,85.202 52.448,85.195 52.399,85.175 52.381,85.161 52.357,85.143 47.916,80.702 34.352,80.702 34.352,111.298 43.5,111.298 43.552,111.305 43.601,111.325 43.643,111.357 45.584,113.298 58.416,113.298
0V on Ground_1 (split plane): 163.648,26.352 35.146,26.352 34.352,27.146 34.352,80.298 48,80.298 48.052,80.305 48.101,80.325 48.143,80.357 52.584,84.798 66,84.798 66.052,84.805 66.101,84.825 66.143,84.857 68.643,87.357 70.143,88.857 70.175,88.899 70.183,88.919 70.195,88.948 70.202,89 70.202,95.416 71.084,96.298 71.916,96.298 72.357,95.857 72.857,95.357 72.899,95.325 72.948,95.305 73,95.298 81,95.298 81.052,95.305 81.101,95.325 81.143,95.357 81.643,95.857 81.675,95.899 81.695,95.948 81.702,96 81.702,104 81.695,104.052 81.675,104.101 81.643,104.143 81.143,104.643 81.101,104.675 81.052,104.695 81,104.702 73.084,104.702 71.643,106.143 71.601,106.175 71.552,106.195 71.5,106.202 66.084,106.202 64.143,108.143 61.143,111.143 58.643,113.643 58.601,113.675 58.552,113.695 58.5,113.702 45.5,113.702 45.448,113.695 45.399,113.675 45.357,113.643 43.416,111.702 34.352,111.702 34.352,125.648 163.648,125.648
V1P5D on Power (split plane): 106.748,77.296 106.748,67.113 98.298,59.602 78.829,59.602 75.677,62.754 75.677,73.321 81.354,78.998 91.25,78.998 91.315,79.006 91.376,79.032 91.428,79.072 94.604,82.248 97.7,82.248 101.796,82.248
V1P5D on Power (split plane): 132.072,77.572 132.124,77.532 132.185,77.506 132.25,77.498 141.146,77.498 142.048,76.596 142.048,73.2 142.056,73.135 142.082,73.074 142.122,73.022 145.248,69.896 145.248,63.029 141.446,59.227 126.629,59.227 125.178,60.678 123.178,62.678 122.678,63.178 122.667,63.187 122.658,63.197 117.658,67.197 116.004,68.519 116.004,69.398 116.678,70.072 116.718,70.124 116.744,70.185 116.752,70.25 116.752,74.25 116.744,74.315 116.718,74.376 116.678,74.428 114.752,76.354 114.752,77.396 115.104,77.748 117,77.748 117.065,77.756 117.126,77.782 117.178,77.822 123.604,84.248 125.396,84.248
V3P3D on Power (split plane): 163.699,26.301 35.125,26.301 34.301,27.125 34.301,125.699 163.699,125.699

## Other copper
Top Layer:
  rectangle: -86,118 -79,125
Ground_1 (plane layer: these items are gaps in the copper):
  lines w0.4: 34,80.5 48,80.5 52.5,85 66,85 68.5,87.5 70,89 70,95.5 71,96.5 72,96.5 72.5,96 73,95.5 81,95.5 81.5,96 81.5,104 81,104.5 73,104.5 71.5,106 66,106 64,108 61,111 58.5,113.5 45.5,113.5 43.5,111.5 34,111.5
Power (plane layer: these items are gaps in the copper):
  lines w0.5: 75.425,62.65 78.725,59.35 98.394,59.35 107,67 107,77.4 101.9,82.5 97.7,82.5 94.5,82.5 91.25,79.25 81.25,79.25 75.425,73.425 75.425,62.65 ; 114.5,76.25 114.5,77.5 115,78 117,78 123.5,84.5 125.5,84.5 132.25,77.75 141.25,77.75 142.3,76.7 142.3,73.2 145.5,70 145.5,62.925 141.55,58.975 126.525,58.975 125,60.5 123,62.5 122.5,63 117.5,67 115.752,68.398 115.752,69.502 116.5,70.25 116.5,74.25 114.5,76.25

## Silkscreen, mask and mechanical layers (free items; w line width, h text height)
Mechanical 15:
  lines w0.254: 35,32 35,120 40,120 40,125 158,125 158,120 163,120 163,32 158,32 158,27 40,27 40,32 35,32

## Text inside footprints (layer, text, board x,y; h text height)
C143: Top Overlay "+" at 218.528,130.497 h0.94 r90
C152: Top Overlay "+" at 133.528,147.497 h0.94 r90
X4: Top Overlay "usb_3" at 168.79,104.52 h1.5 r90